# Altium PCB PCB1.PcbDoc
Units mil, origin at the board's own origin, x right, y up, seen from the top; angles counter-clockwise.
Board outline 3225 x 3942.16 mil, 4 copper layers (Top Layer, Power, GND, Bottom Layer), stack 23.756 mil thick; 91 components, 59 nets, 258 pads, 27 vias.
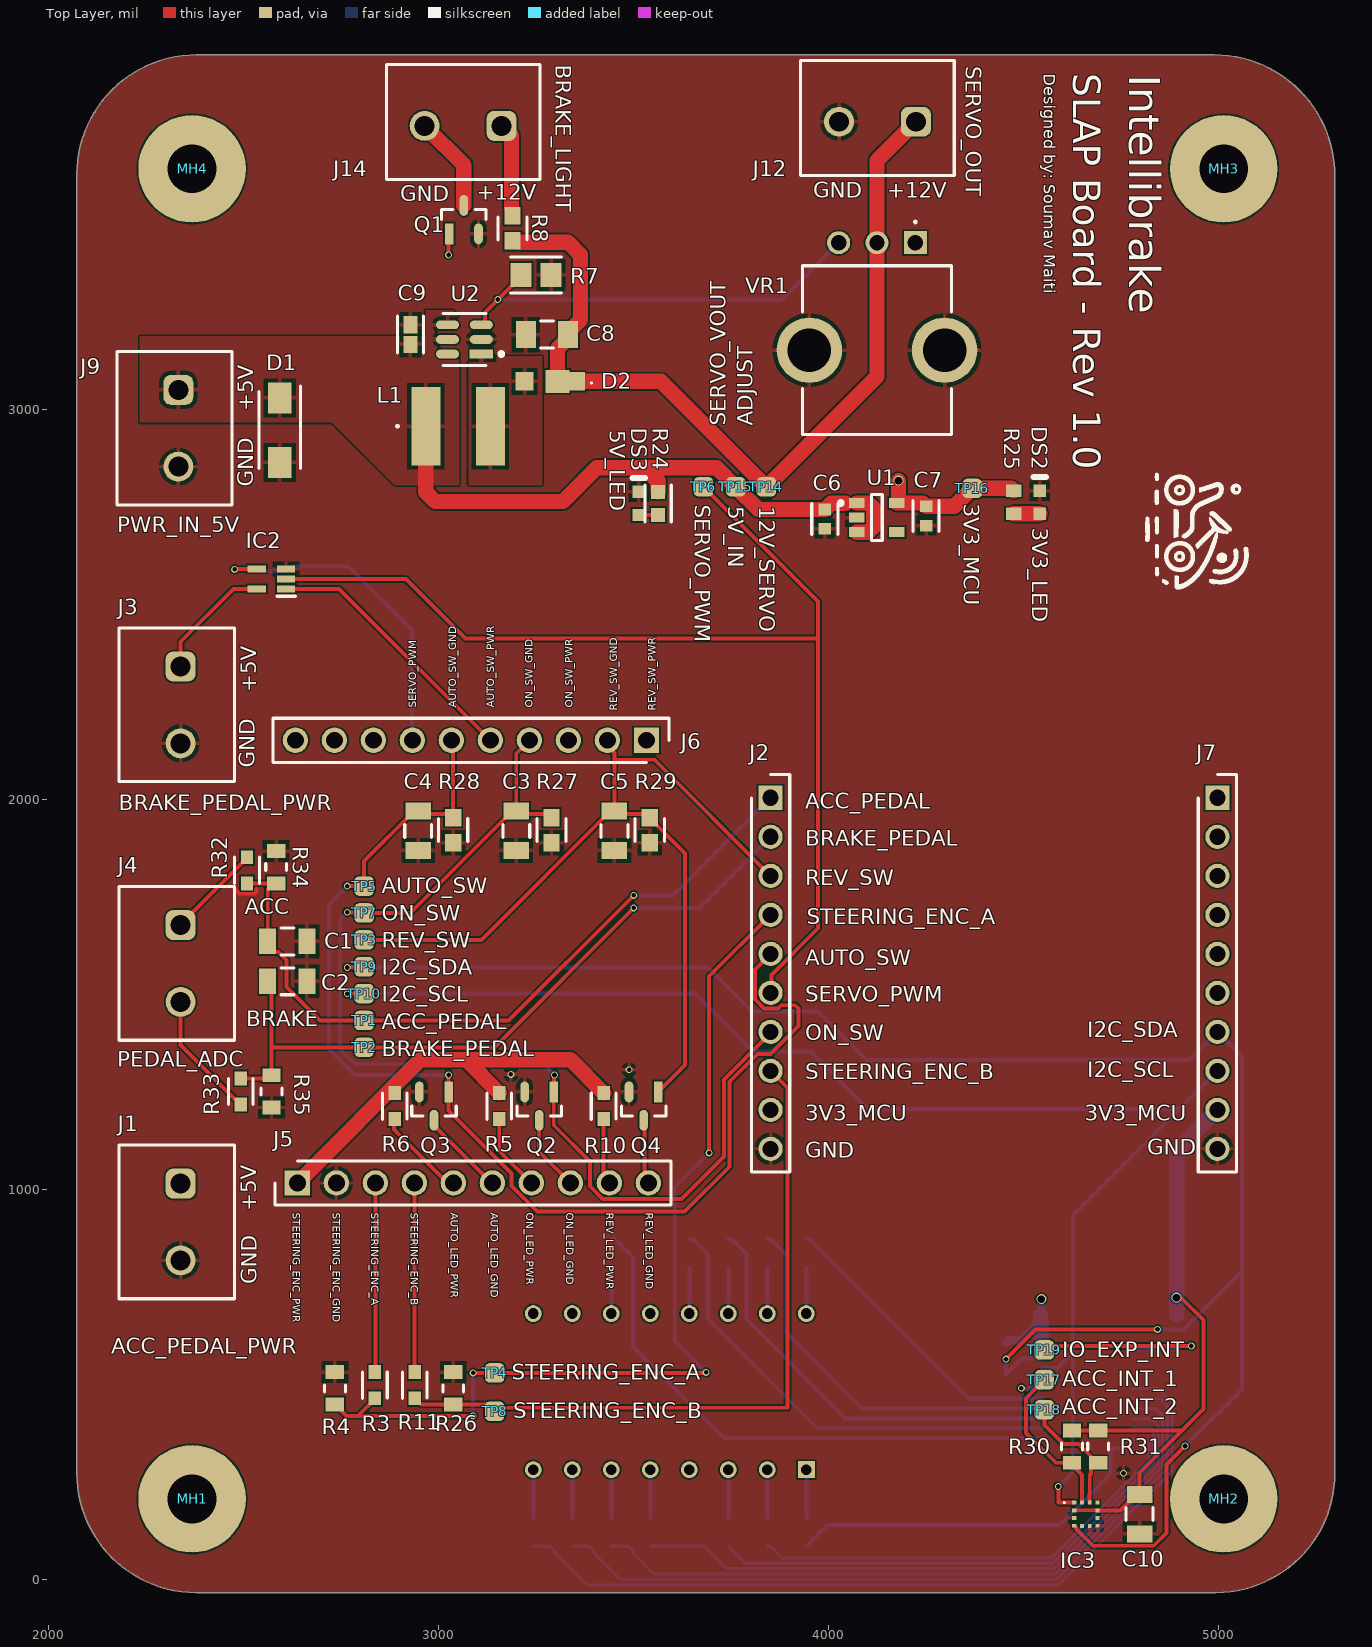
[diagram p0: Top Layer view]
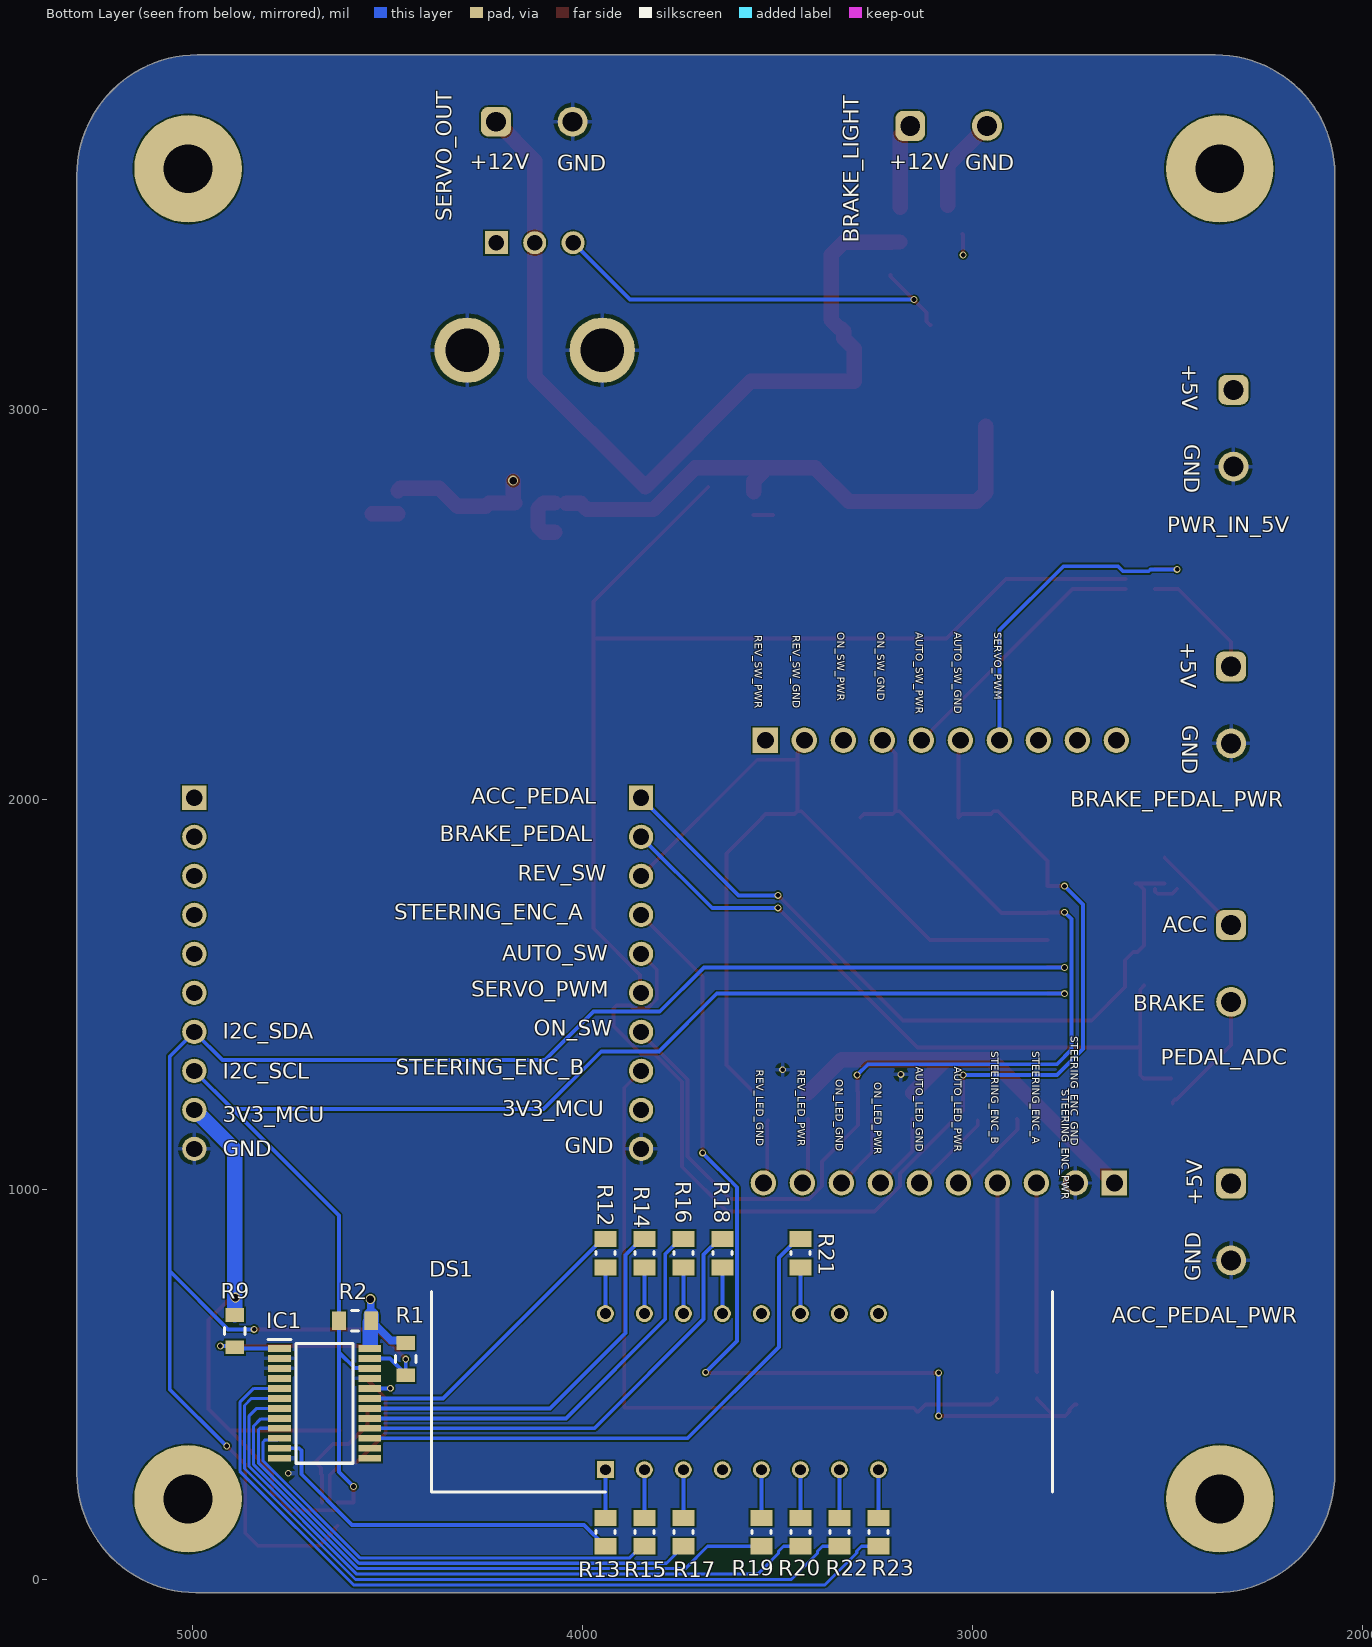
[diagram p1: Bottom Layer view, seen from below]
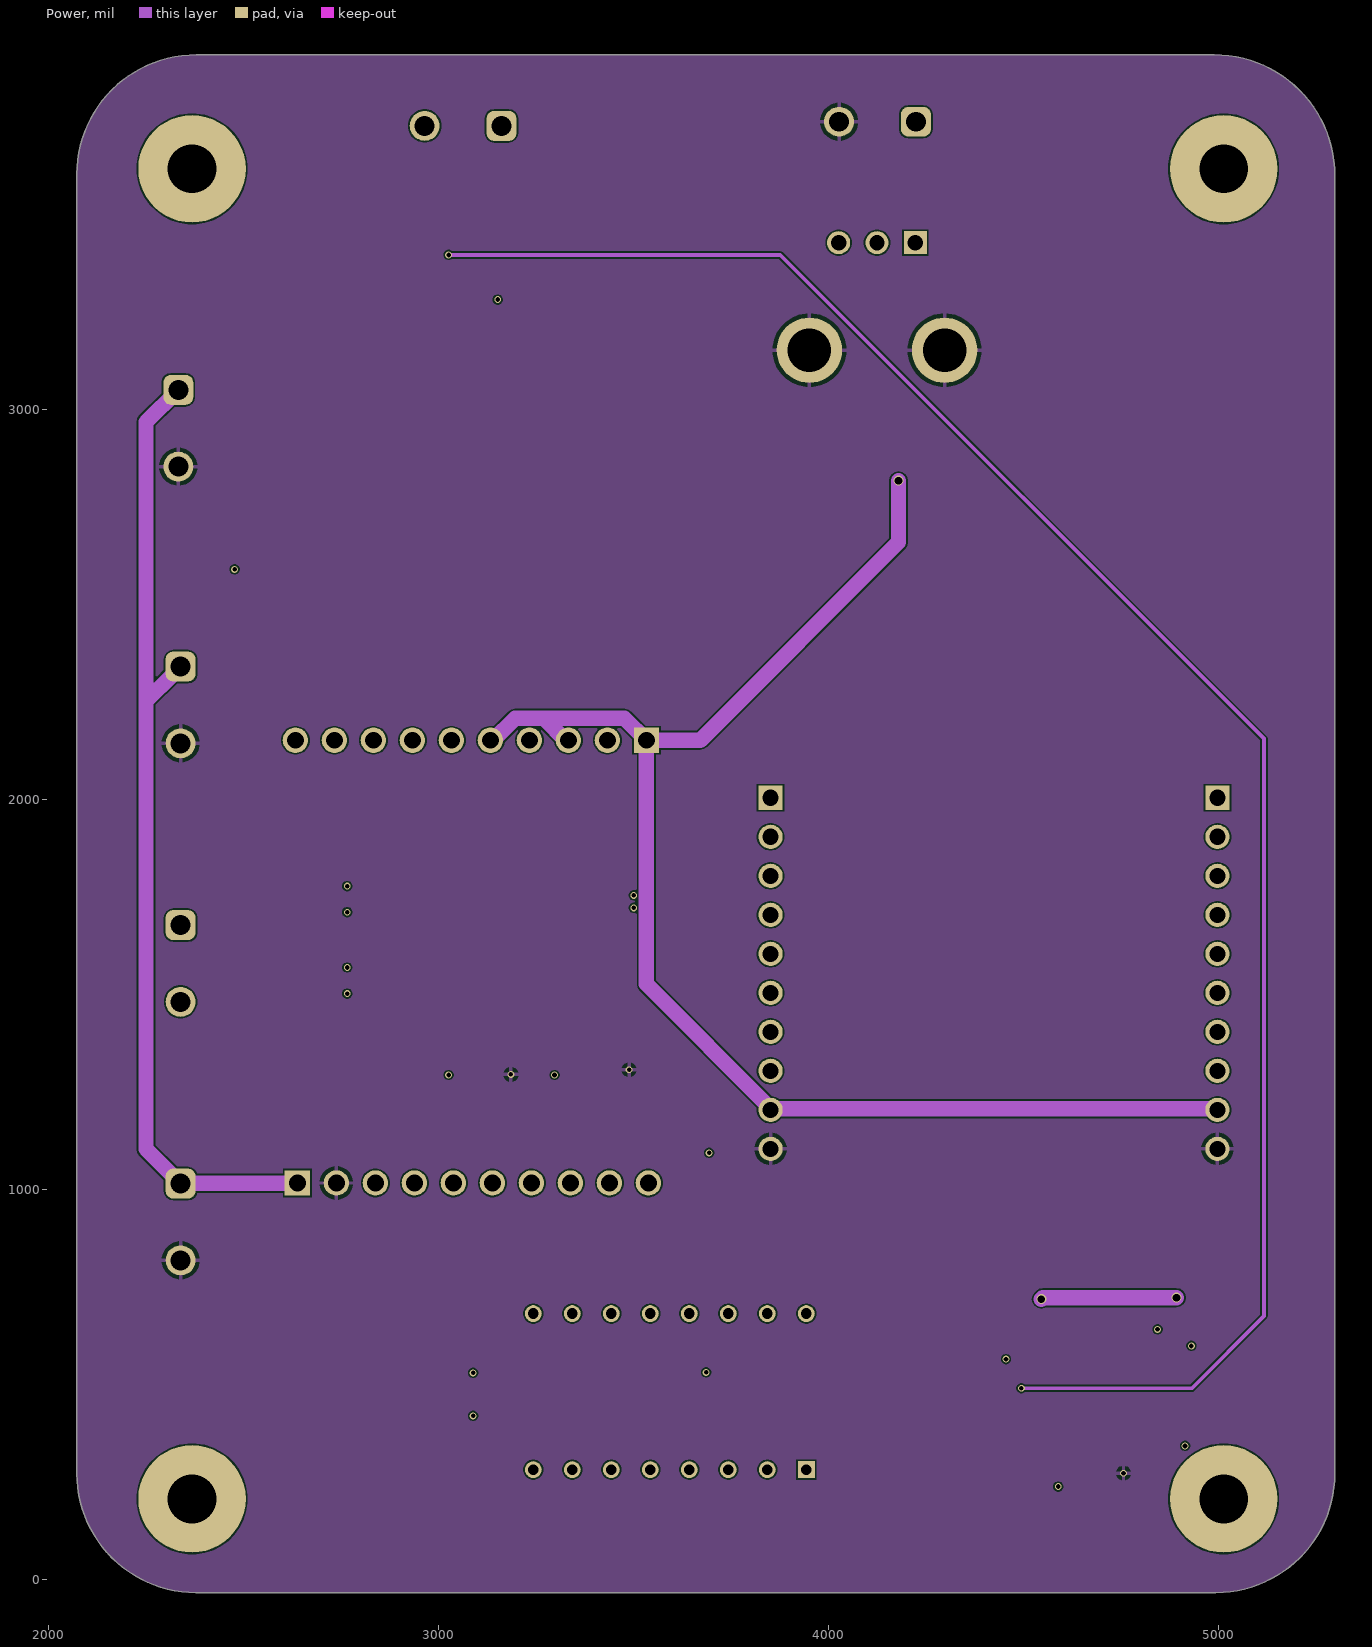
[diagram p2: Power]
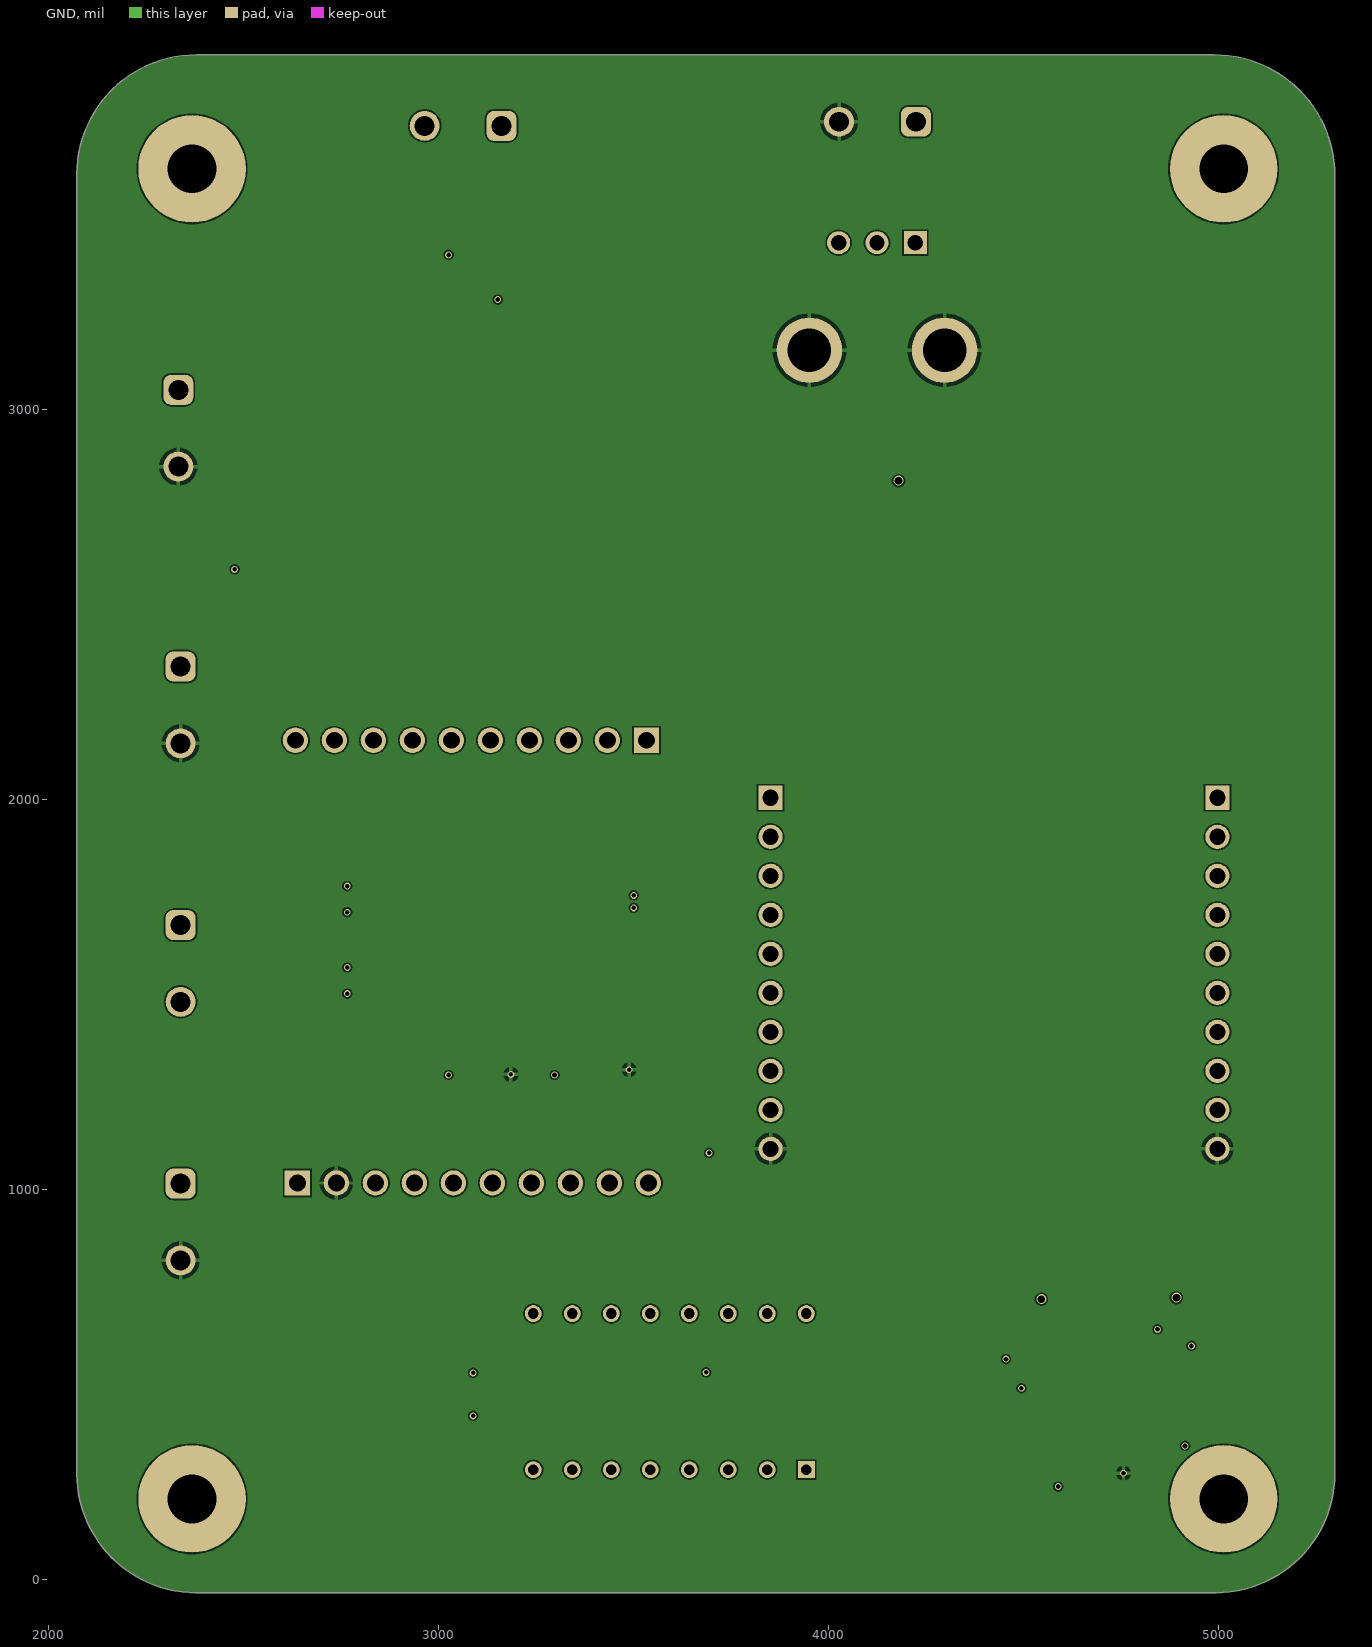
[diagram p3: GND]
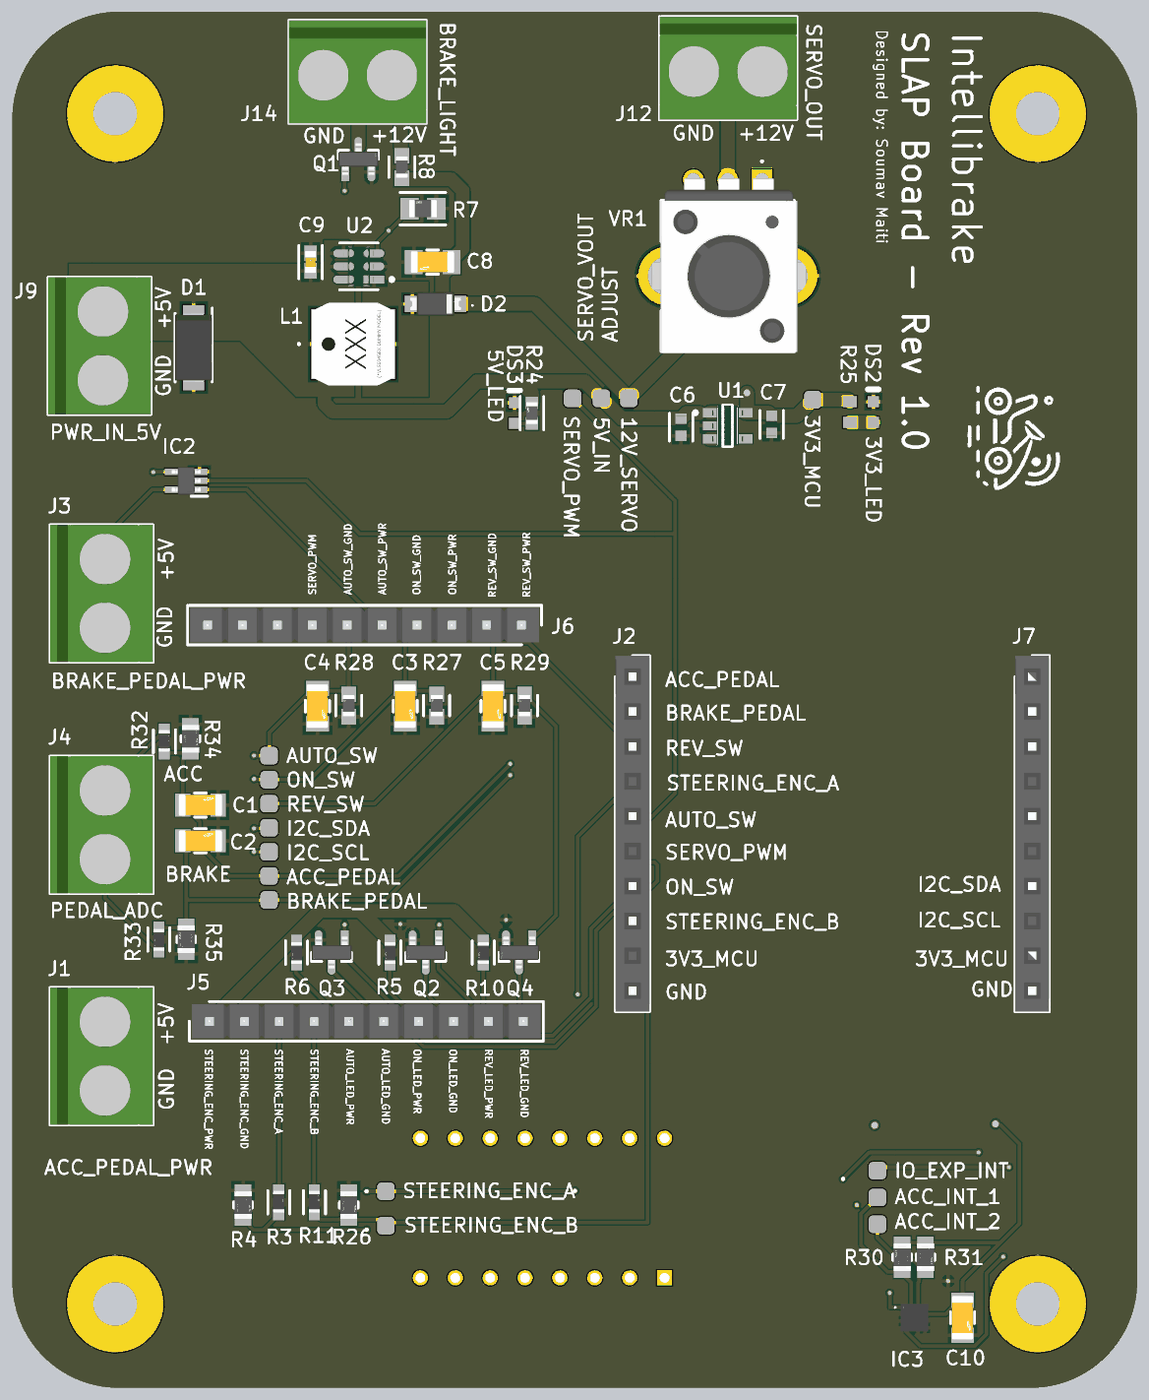
[diagram p4: 3D render of the assembled board from above, using the file's embedded part models]

## Layer stack, top to bottom
Top Solder: solder mask 0.4, Solder Resist, Dk 3.5
Top Layer: signal copper 1.378
Dielectric 2: prepreg 2.8, PP-006, Dk 4.1
Power: signal copper 1.4
Dielectric 1: dielectric 12.6, FR-4, Dk 4.8
GND: signal copper 1.4
Dielectric 3: prepreg 2.8, PP-006, Dk 4.1
Bottom Layer: signal copper 1.378
Bottom Solder: solder mask 0.4, Solder Resist, Dk 3.5

## Board outline
2377.08,-32.72 4992.09,-32.72 ccw(c4992.09,272.28) 5297.09,272.28 5297.09,3600.55 ccw(c4988.19,3600.55) 4988.19,3909.45 2377.95,3909.45 ccw(c2377.95,3603.58) 2072.09,3603.58 2072.09,272.28 ccw(c2377.08,272.28)

## Design rules (kind name [scope] priority, off if disabled: settings)
Clearance [All] p1: gap=3.94 ignorepadtopadclearanceinfootprint=FALSE
PolygonConnect [All] p1: connectstyle=Relief reliefconductorwidth=10 reliefentries=4 polygonreliefangle="90 Angle" airgapwidth=10
RoutingVias [All] p1: holewidth=28 width=50 viastyle="Through Hole" minholewidth=28 minwidth=50 maxholewidth=28 maxwidth=50
SolderMaskExpansion [All] p1: expansion=4 istentingtop=FALSE
SupplyNets "Schematic Supply Nets_4" [InNet('SERVO_OUT_12V')] p1: voltage=0.000
SupplyNets "Schematic Supply Nets_3" [InNet('MCU_3V3')] p2: voltage=0.000
SupplyNets "Schematic Supply Nets_2" [InNet('GND')] p3: voltage=0.000
SupplyNets "Schematic Supply Nets" [InNet('VIN_5V')] p4: voltage=0.000
Width [All] p1: maxlimit=196.85 minlimit=3.94 preferedwidth=10
30 further rules are at their usual default settings.

## Classes and differential pairs
component class Displays: C10 DS1 IC1 IC3 R9 R12 R13 R14 R15 R16 R17 R18 R19 R20 R21 R22 R23 R30 R31 TP17 TP18 TP19
component class Power: C6 C7 C8 C9 D2 IC2 J12 L1 R7 TP14 TP15 TP16 U1 U2 VR1
component class Connectors: C1 C2 C3 C4 C5 D1 DS2 DS3 J1 J2 J3 J4 J5 J6 J7 J9 J14 MH1 MH2 MH3 MH4 MH? Q1 Q2 Q3 Q4 R1 R2 R3 R4 R5 R6 R8 R10 R11 R24 R25 R26 R27 R28 R29 R32 R33 R34 R35 TP1 TP2 TP3 TP4 TP5 TP6 TP7 TP8 TP9 TP10 TP?

## Components (designator, comment, footprint, x,y, rotation, side; value= is the part's Value field where it differs from the comment)
C1 "100nF 50V" FP-CL31-IPC_C 2611.46,1636.58 r0 top
C2 "100nF 50V" FP-CL31-IPC_C 2611.46,1534.21 r0 top
C3 "100nF 50V" FP-CL31-IPC_C 3198.46,1920.04 r270 top
C4 "100nF 50V" FP-CL31-IPC_C 2946.89,1920.04 r270 top
C5 "100nF 50V" FP-CL31-IPC_C 3450.04,1920.04 r270 top
C6 "1uF" FP-CL10-IPC_C 3989.41,2719.25 r270 top
C7 "1uF" FP-CL10-IPC_C 4249.25,2727.13 r270 top
C8 "10uF 25V" FP-CL31-IPC_B 3277.09,3192.28 r180 top
C9 "1uF 50V" FP-C1608-080-0_1-IPC_B 2927.09,3192.28 r270 top
C10 "100nF 50V" FP-CL31-IPC_C 4796.5,168.07 r270 top
D1 "P4SMAJ170A" DIOM5027X240N 2592.09,2947.28 r270 top
D2 "PMEG3020EXE-QX" PMEG4010EXEX 3287.09,3072.28 r180 top
DS1 "TDCR1060M" DIPS1016W50P254L4020H725Q16N 3942.09,282.28 r90 bottom
DS2 "HSMY-C190" AVAG-HSMX-C190_V 4540.59,2762.56 r90 top
DS3 "HSMY-C190" AVAG-HSMX-C190_V 3511.97,2759.57 r90 top
IC1 "TCA9555PWR" SOP65P640X120-24N 4662.09,452.28 r180 bottom
IC2 "SN74LXC1T14DCKR" SOT65P210X110-5N 2570.71,2565.79 r180 top
IC3 "MC3479" MC3479 4658.7,168.07 r0 top
J1 "691137710002" 691137710002 2327.99,917.28 r270 top
J2 "61301011821" RHDR10W60P0X254_1X10_2590X250X850P 3850.39,2004.72 r270 top
J3 "691137710002" 691137710002 2327.99,2242.88 r270 top
J4 "691137710002" 691137710002 2327.99,1580.08 r270 top
J5 "PH1-10-UA" HDRV10W64P0X254_1X10_2540X249X886P 2637.09,1017.28 r180 top
J6 "PH1-10-UA" HDRV10W64P0X254_1X10_2540X249X886P 3532.09,2152.28 r0 top
J7 "61301011821" RHDR10W60P0X254_1X10_2590X250X850P 4996.06,2004.72 r270 top
J9 "691137710002" 691137710002 2322.09,2952.28 r270 top
J12 "691137710002" 691137710002 4124.49,3747.88 r180 top
J14 "691137710002" 691137710002 3062.09,3737.28 r180 top
L1 "6.8uH, 3.6A" VLS6045 3049.41,2957.28 r0 top
MH1 "Mounting Hole" "MOUNTING HOLE" 2362.09,207.28 r0 top
MH2 "Mounting Hole" "MOUNTING HOLE" 5007.09,207.28 r0 top
MH3 "Mounting Hole" "MOUNTING HOLE" 5007.09,3617.28 r0 top
MH4 "Mounting Hole" "MOUNTING HOLE" 2362.09,3617.28 r0 top
Q1 "2N7002NXAKR" FP-SOT23-IPC_B 3064.21,3486.97 r90 top
Q2 "2N7002NXAKR" FP-SOT23-IPC_B 3257.12,1214.31 r270 top
Q3 "2N7002NXAKR" FP-SOT23-IPC_B 2987.44,1214.31 r270 top
Q4 "2N7002NXAKR" FP-SOT23-IPC_B 3524.84,1214.31 r270 top
R1 "4.7kΩ" FP-RT0805-MFG 4453.98,565.71 r90 bottom value=4.7KΩ
R2 "4.7kΩ" FP-RT0805-MFG 4583.9,664.13 r180 bottom value=4.7KΩ
R3 "10kΩ" FP-RT0603-MFG 2835.87,498.78 r90 top value=10KΩ
R4 "20kΩ" FP-RT0805-MFG 2733.5,490.91 r270 top value=20KΩ
R5 "150Ω" FP-RT0603-MFG 3154.76,1214.31 r270 top
R6 "150Ω" FP-RT0603-MFG 2887.05,1214.31 r270 top
R7 "3kΩ" FP-RG2012-IPC_A 3249.25,3345.24 r180 top
R8 "1.5kΩ" FP-CRCW0603-e3-IPC_A 3188.98,3464.57 r270 top
R9 "4.7kΩ" FP-RT0805-MFG 4892.09,637.28 r90 bottom value=4.7KΩ
R10 "150Ω" FP-RT0603-MFG 3422.48,1214.31 r270 top
R11 "10kΩ" FP-RT0603-MFG 2938.23,498.78 r90 top value=10KΩ
R12 "432Ω" RESC2013X50X30NL20T20 3942.09,837.28 r90 bottom
R13 "432Ω" RESC2013X50X30NL20T20 3942.09,122.28 r90 bottom
R14 "432Ω" RESC2013X50X30NL20T20 3842.09,837.28 r90 bottom
R15 "432Ω" RESC2013X50X30NL20T20 3842.09,122.28 r90 bottom
R16 "432Ω" RESC2013X50X30NL20T20 3742.09,837.28 r90 bottom
R17 "432Ω" RESC2013X50X30NL20T20 3742.09,122.28 r90 bottom
R18 "432Ω" RESC2013X50X30NL20T20 3642.09,837.28 r90 bottom
R19 "432Ω" RESC2013X50X30NL20T20 3542.09,122.28 r90 bottom
R20 "432Ω" RESC2013X50X30NL20T20 3442.09,122.28 r90 bottom
R21 "432Ω" RESC2013X50X30NL20T20 3442.09,837.28 r90 bottom
R22 "432Ω" RESC2013X50X30NL20T20 3342.09,122.28 r90 bottom
R23 "432Ω" RESC2013X50X30NL20T20 3242.09,122.28 r90 bottom
R24 "1.5kΩ" FP-RC1608-IPC_B 3561.97,2759.57 r90 top
R25 "590Ω" RESC1608X55X25ML10T15 4473.66,2762.56 r90 top
R26 "20kΩ" FP-RT0805-MFG 3036.65,490.91 r270 top value=20KΩ
R27 "1.5kΩ" FP-CRCW0603-e3-IPC_A 3288.62,1921.86 r90 top
R28 "1.5kΩ" FP-CRCW0603-e3-IPC_A 3036.65,1921.86 r90 top
R29 "1.5kΩ" FP-CRCW0603-e3-IPC_A 3540.59,1921.86 r90 top
R30 "4.7kΩ" FP-RT0805-MFG 4623.27,341.3 r90 top value=4.7KΩ
R31 "4.7kΩ" FP-RT0805-MFG 4690.2,341.3 r270 top value=4.7KΩ
R32 "10kΩ" FP-RT0603-MFG 2507.87,1818.9 r90 top value=10KΩ
R33 "10kΩ" FP-RT0603-MFG 2492.13,1251.97 r270 top value=10KΩ
R34 "20kΩ" FP-RT0805-MFG 2582.68,1826.77 r270 top value=20KΩ
R35 "20kΩ" FP-RT0805-MFG 2570.87,1251.97 r90 top value=20KΩ
TP1 "TP" TESTPOINT 2808.31,1433.82 r90 top
TP2 "TP" TESTPOINT 2808.31,1364.92 r0 top
TP3 "TP" TESTPOINT 2808.31,1640.51 r0 top
TP4 "TP" TESTPOINT 3142.95,530.28 r90 top
TP5 "TP" TESTPOINT 2808.31,1778.31 r0 top
TP6 "TP" TESTPOINT 3678.38,2801.93 r0 top
TP7 "TP" TESTPOINT 2808.31,1709.41 r0 top
TP8 "TP" TESTPOINT 3142.95,431.85 r0 top
TP9 "TP" TESTPOINT 2808.31,1571.62 r0 top
TP10 "TP" TESTPOINT 2808.31,1502.72 r0 top
TP14 "TP" TESTPOINT 3839.8,2801.93 r0 top
TP15 "TP" TESTPOINT 3761.06,2801.93 r0 top
TP16 "TP" TESTPOINT 4367.36,2797.99 r0 top
TP17 "TP" TESTPOINT 4552.4,512.56 r90 top
TP18 "TP" TESTPOINT 4552.4,435.79 r90 top
TP19 "TP" TESTPOINT 4552.4,589.33 r90 top
U1 "MIC5504-3.3YM5-TR" FP-SOT23-5LD-PL-1-MFG 4122.91,2723.23 r0 top
U2 "TLV61048DBVR" FP-DBV0006A-IPC_B 3065.41,3179.88 r180 top
VR1 "50kΩ Pot" PTV09A4030SA503 4221.69,3427.91 r180 top
